# Altium PCB UltraZohm_Analog_ADS5272.PcbDoc (part 4 of 4)
Units mm, origin at the board's own origin, x right, y up, seen from the top; angles counter-clockwise.
Board outline 156.02 x 100.09 mm, 6 copper layers (Top Layer, AGND, VCC, GND, Signal 1, Bottom Layer), stack 1.58 mm thick; 321 components, 279 nets, 1409 pads, 548 vias.
Unrouted connection lines stored in the file: 181.
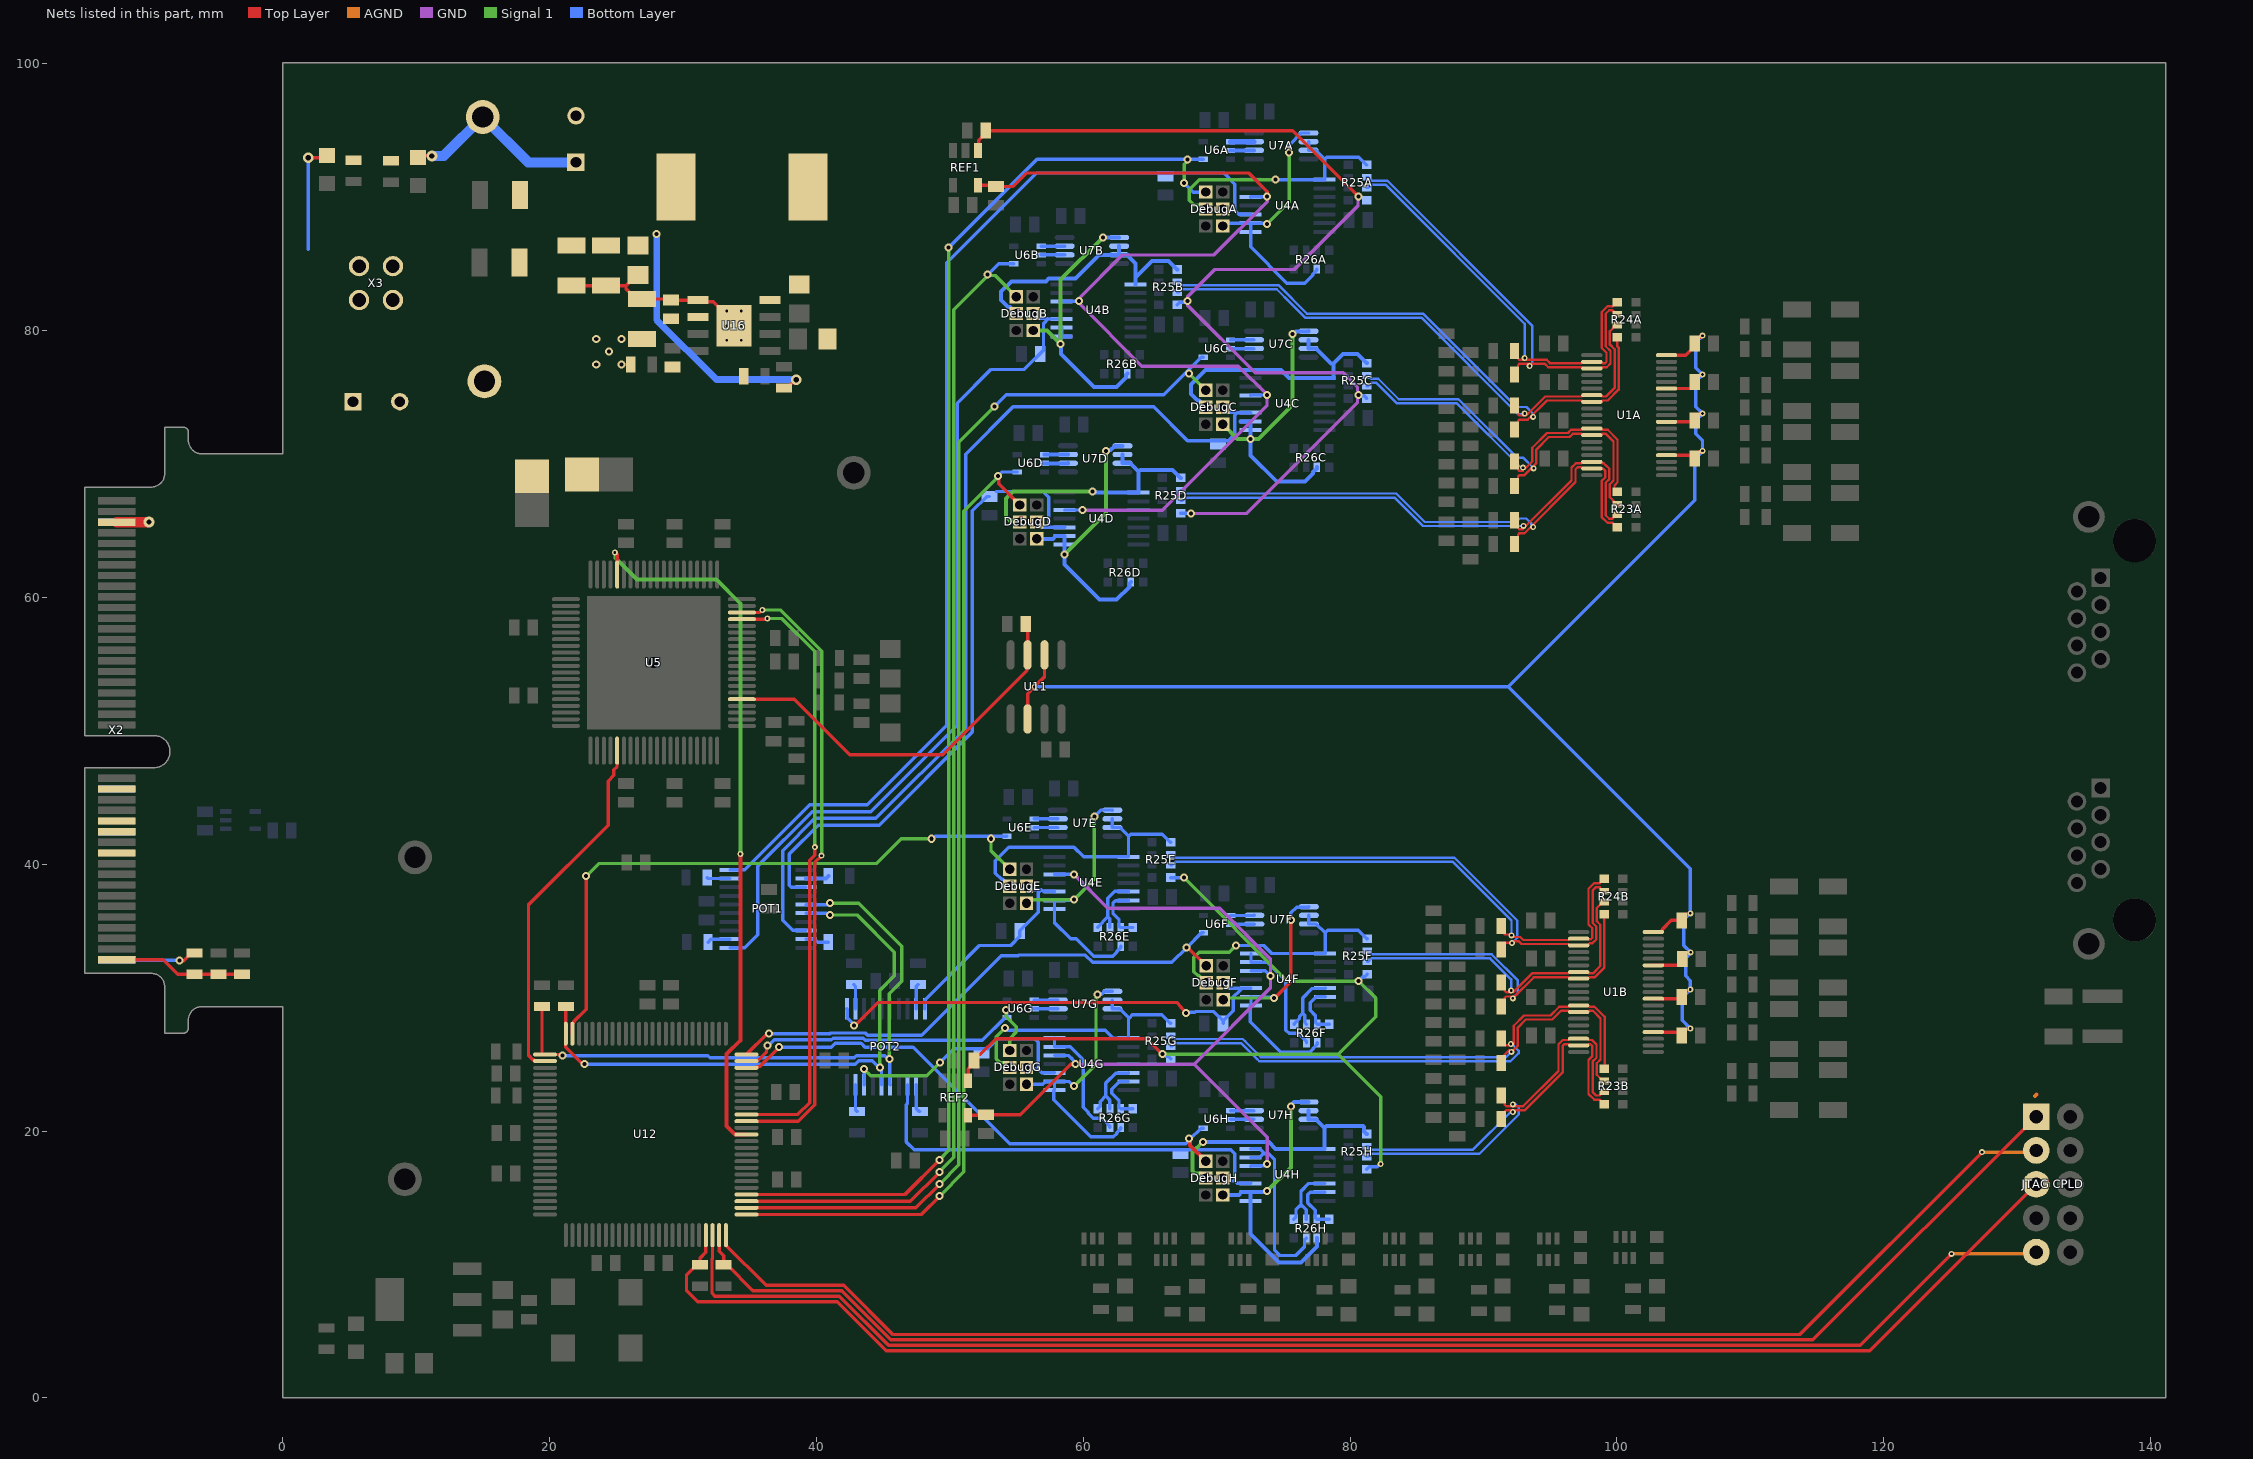
[diagram p8: the nets of this part, all layers, seen from the top]

## Via types
v1: diameter 0.6, hole 0.3, Top Layer to Bottom Layer, tented both sides, 338 vias
v2: diameter 0.45, hole 0.2, Top Layer to Bottom Layer, tented both sides, 182 vias
v3: diameter 0.45, hole 0.2, Top Layer to Bottom Layer, tented bottom, 16 vias
v4: diameter 0.5, hole 0.2, Top Layer to Bottom Layer, tented both sides, 6 vias
v5: diameter 0.8, hole 0.4, Top Layer to Bottom Layer, tented both sides, 4 vias
v6: diameter 0.45, hole 0.2, Top Layer to Bottom Layer, 2 vias

## Nets (pads, with @x,y where several pads share a name; then routed paths per layer and width w, separated by ;. In a path a pad name is that pad's centre, name@x,y a point inside that pad or via, vN(x,y) a via of type N, cw(c..) or ccw(c..) an arc to the next point about the centre after c; other vN are vias at no path point) (continued)
NetR26E_5: R26E.5 R26E.6 U4E.5 | length 5.2
  Bottom Layer w0.254: R26E.5@61.078,35.254 61.078,35.284 61.849,36.055 61.849,36.068 ; R26E.6@62.003,35.254 62.003,35.914 61.849,36.068 ; U4E.5@63.398,37.948 63.375,37.971 62.359,37.971 62.357,37.973 61.849,37.465 61.849,36.068
NetR26E_7: R26E.7 R26E.8 U4E.6 | length 4.2
  Bottom Layer w0.254: U4E.6@63.398,37.298 63.375,37.275 62.421,37.275 62.23,37.084 62.23,36.337 62.68,35.887 62.68,35.377 R26E.7@62.803,35.254 R26E.8@63.728,35.254
NetR26F_3: R26F.3 U4F.13 U4F.14 | length 9.5
  Bottom Layer w0.254: U4F.14@72.58,33.309 U4F.13@72.58,32.659 73.788,32.659 75.184,31.263 75.184,27.559 75.428,27.315 76.139,27.315 76.415,27.039 76.415,27.035 76.735,26.715 R26F.3@76.735,26.615
NetR26F_5: R26F.5 R26F.6 U4F.5 | length 5.1
  Bottom Layer w0.254: R26F.5@75.81,28.015 75.81,28.045 76.215,28.45 76.215,28.59 76.454,28.829 ; R26F.6@76.735,28.015 76.612,28.138 76.612,28.671 76.454,28.829 ; U4F.5@78.13,30.709 78.107,30.686 77.168,30.686 76.454,29.972 76.454,28.829
NetR26F_7: R26F.7 R26F.8 U4F.6 | length 4.1
  Bottom Layer w0.254: U4F.6@78.13,30.059 77.455,30.059 77.24,29.844 77.231,29.844 77.011,29.625 77.011,29.049 77.412,28.648 77.412,28.138 R26F.7@77.535,28.015 R26F.8@78.46,28.015
NetR26G_3: R26G.3 U4G.13 U4G.14 | length 9.5
  Bottom Layer w0.254: U4G.14@57.848,26.959 U4G.13@57.848,26.309 59.035,26.309 59.99,25.354 59.99,21.787 60.369,21.408 60.369,21.345 60.764,20.95 61.423,20.95 61.683,20.689 61.683,20.685 62.003,20.365 R26G.3@62.003,20.265
NetR26G_5: R26G.5 R26G.6 U4G.5 | length 5.3
  Bottom Layer w0.254: R26G.5@61.078,21.665 61.271,21.858 61.271,22.199 61.7,22.628 ; R26G.6@62.003,21.665 62.003,22.325 61.7,22.628 ; U4G.5@63.398,24.359 63.375,24.336 62.436,24.336 61.7,23.6 61.7,22.628
NetR26G_7: R26G.7 R26G.8 U4G.6 | length 4.2
  Bottom Layer w0.254: U4G.6@63.398,23.709 62.723,23.709 62.508,23.494 62.499,23.494 62.152,23.148 62.152,22.826 62.68,22.298 62.68,21.788 R26G.7@62.803,21.665 R26G.8@63.728,21.665
NetR26H_3: R26H.3 U4H.13 U4H.14 | length 13.4
  Bottom Layer w0.254: U4H.13@72.555,18.019 73.23,18.019 73.499,18.288 ; U4H.14@72.555,18.669 73.23,18.669 73.499,18.4 73.499,18.288 ; R26H.3@76.71,11.975 76.587,11.852 76.587,11.309 75.946,10.668 74.74,10.668 74.341,11.067 74.341,17.861 73.914,18.288 73.499,18.288
NetR26H_5: R26H.5 R26H.6 U4H.5 | length 5.6
  Bottom Layer w0.254: R26H.5@75.785,13.375 75.947,13.537 75.947,14.106 76.327,14.485 ; R26H.6@76.71,13.375 76.707,13.378 76.707,14.106 76.327,14.485 ; U4H.5@78.105,16.069 76.902,16.069 76.327,15.494 76.327,14.485
NetR26H_7: R26H.7 R26H.8 U4H.6 | length 4.4
  Bottom Layer w0.254: U4H.6@78.105,15.419 77.014,15.419 76.835,15.24 76.835,14.605 77.387,14.053 77.387,13.498 R26H.7@77.51,13.375 R26H.8@78.435,13.375
NetU6A_1: U6A.1 U7A.7 | length 1.8
  Bottom Layer w0.4: U6A.1@71.042,94.159 72.242,94.159 72.253,94.17 U7A.7@72.803,94.17
NetU6A_2: U6A.2 U7A.6 | length 1.8
  Bottom Layer w0.3: U6A.2@71.042,93.509 71.048,93.514 72.798,93.514 U7A.6@72.803,93.52
NetU6B_1: U6B.1 U7B.7 | length 1.8
  Bottom Layer w0.254: U6B.1@56.843,86.32 56.849,86.326 58.599,86.326 U7B.7@58.604,86.331
NetU6B_2: U6B.2 U7B.6 | length 1.8
  Bottom Layer w0.254: U6B.2@56.843,85.67 56.849,85.676 58.599,85.676 U7B.6@58.604,85.681
NetU6C_1: U6C.1 U7C.7 | length 1.8
  Bottom Layer w0.254: U6C.1@71.042,79.3 71.048,79.305 72.798,79.305 U7C.7@72.803,79.311
NetU6C_2: U6C.2 U7C.6 | length 1.8
  Bottom Layer w0.254: U6C.2@71.042,78.65 71.048,78.655 72.798,78.655 U7C.6@72.803,78.661
NetU6D_1: U6D.1 U7D.7 | length 1.8
  Bottom Layer w0.3: U6D.1@57.097,70.699 57.103,70.705 58.853,70.705 U7D.7@58.858,70.71
NetU6D_2: U6D.2 U7D.6 | length 1.8
  Bottom Layer w0.3: U6D.2@57.097,70.049 57.103,70.055 58.853,70.055 U7D.6@58.858,70.06
NetU6E_1: U6E.1 U7E.7 | length 1.8
  Bottom Layer w0.254: U6E.1@56.335,43.394 56.341,43.4 58.091,43.4 U7E.7@58.096,43.405
NetU6E_2: U6E.2 U7E.6 | length 1.8
  Bottom Layer w0.254: U6E.2@56.335,42.744 56.341,42.75 58.091,42.75 U7E.6@58.096,42.755
NetU6F_1: U6F.1 U7F.7 | length 1.8
  Bottom Layer w0.254: U6F.1@71.067,36.155 71.073,36.161 72.823,36.161 U7F.7@72.828,36.166
NetU6F_2: U6F.2 U7F.6 | length 1.8
  Bottom Layer w0.254: U6F.2@71.067,35.505 71.073,35.511 72.823,35.511 U7F.6@72.828,35.516
NetU6G_1: U6G.1 U7G.7 | length 1.8
  Bottom Layer w0.254: U6G.1@56.335,29.805 56.341,29.811 58.091,29.811 U7G.7@58.096,29.816
NetU6G_2: U6G.2 U7G.6 | length 1.8
  Bottom Layer w0.254: U6G.2@56.335,29.155 56.341,29.161 58.091,29.161 U7G.6@58.096,29.166
NetU6H_1: U6H.1 U7H.7 | length 1.8
  Bottom Layer w0.254: U6H.1@71.042,21.515 71.048,21.52 72.798,21.52 U7H.7@72.803,21.526
NetU6H_2: U6H.2 U7H.6 | length 1.8
  Bottom Layer w0.254: U6H.2@71.042,20.865 71.048,20.87 72.798,20.87 U7H.6@72.803,20.876
PD: U5.16 U12.38 | length 54.3
  Top Layer w0.3: v2(24.892,63.373) 25.061,63.204 25.061,62.82 25.063,62.818 U5.16@25.063,61.718 ; v2(34.29,40.767) 34.29,26.797 33.274,25.781 33.274,20.374 33.906,19.742 U12.38@34.76,19.742
  Signal 1 w0.3: v2(24.892,63.373) 24.921,63.344 24.921,62.96 26.54,61.341 32.512,61.341 34.29,59.563 v2(34.29,40.767)
PGND: C13.2 C14.2 C60.2 C61.2 C62.2 C66.2 C67.2 C71.2 C92.2 NT1.2 NT2.1 R36.1 R89.2 R90.1 TP4.1 U16.1 U16.9 X3.1 X3.2 | length 16.4
  Top Layer w0.254: C67.2@21.644,83.375 C66.2@24.244,83.375 25.724,83.375 ; C71.2@26.624,84.175 26.524,84.175 25.724,83.375 ; U16.9@33.124,81.325 32.28,82.169 31.235,82.169 U16.1@31.124,82.28 29.13,82.28 C13.2@29.117,82.293 29.035,82.375 C62.2@26.924,82.375 26.474,82.375 25.724,83.125 25.724,83.375 ; v4(33.274,79.275) 33.274,79.825 U16.9@33.824,80.375 33.274,80.925 v4(33.274,81.475)
  other v4: 34.374,79.275 33.274,80.375 34.374,80.375 34.374,81.475
PILOT_IN: R14.1 X2.80 | length 6.1
  Top Layer w0.254: v1(-7.747,32.766) -7.438,32.766 -6.854,33.35 R14.1@-6.604,33.35
  Bottom Layer w0.254: X2.80@-12.453,32.842 -12.415,32.804 -7.785,32.804 v1(-7.747,32.766)
PILOT_OUT: R13.1 R14.2 R15.1 X2.79 | length 9.9
  Top Layer w0.254: X2.79@-12.453,32.842 -8.966,32.842 -7.874,31.75 R13.1@-3.048,31.75
PL_ANL_GPIO_01: X2.55
PS_ANL_GPIO_01: X2.56
PS_ANL_GPIO_02: X2.59
REF1.65A: C75.1 R25A.4 R25B.4 R25C.4 R25D.4 REF1.1 | length 83.3
  Top Layer w0.254: REF1.1@52.131,93.502 52.179,93.55 52.179,94.284 52.418,94.523 52.432,94.523 52.705,94.796 C75.1@52.705,94.996 75.692,94.996 v1@80.518,90.17 ; v1(80.645,90.043) v1@80.692,90.043
  GND w0.254: v1(68.072,66.294) 72.266,66.294 80.558,74.586 80.558,75.779 79.502,76.835 72.898,76.835 67.818,81.915 v1(67.818,82.233) 67.818,82.55 69.85,84.582 75.819,84.582 80.599,89.362 80.599,89.997 v1(80.645,90.043)
  Bottom Layer w0.254: R25B.4@67.059,81.932 67.252,82.125 67.617,82.125 67.724,82.233 v1(67.818,82.233) ; R25D.4@67.313,66.311 68.055,66.311 v1(68.072,66.294) ; v1(80.635,75.182) 80.729,75.182 80.806,75.105 81.065,75.105 R25C.4@81.258,74.912
REF1.65B: C78.1 R25E.4 R25F.4 R25G.4 R25H.4 REF2.1 | length 67
  Top Layer w0.254: REF2.1@51.369,23.779 51.369,24.651 51.518,24.8 51.543,24.8 51.816,25.073 C78.1@51.816,25.273 51.816,25.473 52.089,25.746 52.289,25.746 53.467,26.924 64.77,26.924 v1@65.786,25.908
  Signal 1 w0.254: v1(65.927,25.764) 79.104,25.764 ; v1(67.564,38.989) 75.311,31.242 v1(80.645,31.242) 81.915,29.972 81.915,28.575 79.104,25.764 ; v2(82.296,17.526) 82.296,22.573 79.104,25.764
  Bottom Layer w0.254: v1(65.927,25.764) 66.021,25.764 66.175,25.61 66.358,25.61 R25G.4@66.551,25.417 ; R25E.4@66.551,39.006 66.559,38.998 67.555,38.998 v1(67.564,38.989) ; v1(80.645,31.242) 80.645,31.252 80.967,31.574 81.09,31.574 R25F.4@81.283,31.767 R25F.4@81.313,31.767 ; R25H.4@81.258,17.127 81.451,17.32 82.037,17.32 82.243,17.526 v2(82.296,17.526)
REF3.3A: C74.1 REF1.5 U4A.12 U4B.12 U4C.12 U4D.12 | length 80.9
  Top Layer w0.254: REF1.5@52.131,90.902 53.373,90.902 C74.1@53.467,90.808 54.74,90.808 55.753,91.821 72.39,91.821 73.787,90.424 v1(73.787,90.043)
  GND w0.254: v1(59.944,66.548) 65.913,66.548 73.78,74.415 v1(73.78,75.191) 71.628,77.343 64.389,77.343 59.69,82.042 v1(59.69,82.233) 59.69,82.423 62.937,85.67 69.795,85.67 73.787,89.662 v1(73.787,90.043)
  Bottom Layer w0.254: U4B.12@58.356,82.174 58.379,82.197 59.655,82.197 v1(59.69,82.233) ; U4D.12@58.61,66.553 58.613,66.551 59.941,66.551 v1(59.944,66.548) ; U4C.12@72.555,75.154 72.574,75.173 73.761,75.173 v1(73.78,75.191) ; U4A.12@72.555,90.013 72.57,90.028 73.772,90.028 v1(73.787,90.043)
REF3.3B: C77.1 REF2.5 U4E.12 U4F.12 U4G.12 U4H.12 | length 61.9
  Top Layer w0.254: REF2.5@51.369,21.179 52.672,21.179 C77.1@52.705,21.212 55.276,21.212 59.073,25.009 59.426,25.009 v1(59.436,25.019)
  GND w0.254: v1(59.309,39.243) 61.849,36.703 70.231,36.703 74.041,32.893 v1(74.041,31.623) 74.041,30.734 68.316,25.009 ; v1@59.436,25.009 68.316,25.009 ; v1(73.787,17.526) 73.787,19.539 68.316,25.009
  Bottom Layer w0.254: U4G.12@57.848,25.659 58.923,25.659 59.182,25.4 59.182,25.367 59.436,25.113 v1(59.436,25.019) ; U4E.12@57.848,39.248 57.851,39.246 59.306,39.246 v1(59.309,39.243) ; U4H.12@72.555,17.369 72.578,17.392 v1@73.559,17.392 ; U4F.12@72.58,32.009 73.655,32.009 v1(74.041,31.623)
RESET_ADC: U5.45 U12.77 | length 27
  Top Layer w0.254: U12.77@19.66,25.242 18.897,25.242 18.801,25.338 18.742,25.338 18.415,25.665 18.415,36.957 24.384,42.926 24.384,46.228 24.812,46.656 24.812,47.082 25.054,47.323 25.054,48.509 U5.45@25.063,48.518
SCL_TRIM: POT1.5 POT2.5 R2.2 U12.76 | length 49.3
  Top Layer w0.254: R2.2@19.431,29.337 19.431,25.763 19.461,25.733 20.749,25.733 20.828,25.654 v1(20.955,25.654)
  Signal 1 w0.254: v1(41.021,37.084) 43.18,37.084 46.41,33.854 46.41,31.242 45.466,30.298 v1(45.466,25.4)
  Bottom Layer w0.254: v1(20.955,25.654) 31.85,25.654 32.025,25.479 42.826,25.479 43.001,25.654 45.118,25.654 45.372,25.4 v1(45.466,25.4) 45.504,25.362 45.504,23.488 POT2.5@45.527,23.465 ; POT1.5@39.219,36.981 39.231,36.969 40.906,36.969 v1(41.021,37.084)
SCLK: U5.78 U12.40 | length 47.2
  Top Layer w0.254: U5.78@34.413,58.868 35.702,58.868 35.889,59.055 v2(35.941,59.055) ; U12.40@34.76,20.742 38.647,20.742 39.878,21.972 39.878,40.132 v2(40.386,40.64)
  Signal 1 w0.254: v2(35.941,59.055) 37.312,59.055 40.386,55.981 v2(40.386,40.64)
SDA: U5.77 U12.41 | length 45.6
  Top Layer w0.254: U5.77@34.413,58.368 36.217,58.368 36.269,58.42 v2(36.322,58.42) ; U12.41@34.76,21.242 38.609,21.242 39.497,22.13 39.497,40.29 39.876,40.669 39.876,41.273 v2(39.878,41.275)
  Signal 1 w0.254: v2(36.322,58.42) 37.408,58.42 39.878,55.95 v2(39.878,41.275)
SDA_TRIM: POT1.6 POT2.6 R1.2 U12.75 | length 45.7
  Top Layer w0.254: R1.2@21.209,29.337 U12.75@21.21,27.292 21.218,27.283 21.218,26.28 22.479,25.019 v1(22.606,25.019)
  Signal 1 w0.254: v1(41.021,36.195) 43.053,36.195 45.847,33.401 45.847,31.623 44.759,30.535 v1(44.759,24.778)
  Bottom Layer w0.254: v1(22.606,25.019) 42.905,25.019 43.159,25.273 44.171,25.273 44.666,24.778 v1(44.759,24.778) 44.877,24.66 POT2.6@44.877,23.465 ; POT1.6@39.219,36.331 40.791,36.331 40.927,36.195 v1(41.021,36.195)
SIGNALA: DebugA.3 R25A.1 U4A.1 U7A.2 U7A.3 | length 19.9
  Signal 1 w0.254: DebugA.3@69.19,89.119 68.901,89.408 68.326,89.408 67.945,89.789 67.945,90.551 68.707,91.313 v1(74.422,91.313)
  Bottom Layer w0.254: v1(74.422,91.313) U4A.1@78.105,91.313 78.105,92.858 ; U7A.2@76.893,94.17 U7A.3@76.893,93.52 77.443,93.52 78.105,92.858 ; R25A.1@81.258,92.421 81.228,92.421 80.654,92.995 78.242,92.995 78.105,92.858
SIGNALB: DebugB.3 R25B.1 U4B.1 U7B.2 U7B.3 | length 19.8
  Bottom Layer w0.3: DebugB.3@54.991,81.28 54.498,81.773 54.376,81.773 53.848,82.301 53.848,82.931 54.61,83.693 57.208,83.693 57.416,83.901 59.408,83.901 61.188,85.681 U7B.3@62.694,85.681 ; U7B.2@62.694,86.331 U7B.3@62.694,85.681 ; U4B.1@63.906,83.474 63.906,83.972 ; R25B.1@67.059,84.582 67.029,84.582 66.394,85.217 65.151,85.217 63.906,83.972 ; U7B.3@62.694,85.681 63.269,85.681 63.906,85.044 63.906,83.972
SIGNALC: DebugC.3 R25C.1 U4C.1 U7C.2 U7C.3 | length 20.8
  Bottom Layer w0.3: DebugC.3@69.19,74.26 68.697,74.753 68.575,74.753 68.072,75.256 68.072,75.946 69.18,77.054 74.813,77.054 75.413,76.454 U4C.1@78.105,76.454 78.78,76.454 78.78,77.545 ; U7C.2@76.893,79.311 U7C.3@76.893,78.661 77.468,78.661 78.583,77.545 78.78,77.545 ; R25C.1@81.258,77.562 81.228,77.562 80.558,78.232 79.467,78.232 78.78,77.545
SIGNALD: DebugD.3 R25D.1 U4D.1 U7D.2 U7D.3 | length 19.9
  Signal 1 w0.3: DebugD.3@55.245,65.659 55.118,65.786 54.483,65.786 54.226,66.043 54.226,67.434 54.737,67.945 v1(60.706,67.945)
  Bottom Layer w0.3: v1(60.706,67.945) 60.798,67.853 U4D.1@64.16,67.853 64.16,69.423 ; U7D.2@62.948,70.71 U7D.3@62.948,70.06 63.523,70.06 64.16,69.423 ; R25D.1@67.313,68.961 67.283,68.961 66.683,69.561 64.298,69.561 64.16,69.423
SIGNALE: DebugE.3 R25E.1 U4E.1 U7E.2 U7E.3 | length 20.2
  Bottom Layer w0.254: DebugE.3@54.483,38.354 53.967,38.87 53.878,38.87 53.418,39.33 53.418,40.259 54.434,41.275 59.309,41.275 60.036,40.548 U4E.1@63.398,40.548 63.398,42.093 ; U7E.2@62.186,43.405 U7E.3@62.186,42.755 62.736,42.755 63.398,42.093 ; R25E.1@66.551,41.656 66.521,41.656 65.921,42.256 63.561,42.256 63.398,42.093
SIGNALF: DebugF.3 R25F.1 U4F.1 U7F.2 U7F.3 | length 20
  Signal 1 w0.254: DebugF.3@69.215,31.115 68.699,31.631 68.61,31.631 68.299,31.942 68.299,33.02 68.326,33.02 68.707,33.401 70.939,33.401 v1(71.447,33.909)
  Bottom Layer w0.254: v1(71.447,33.909) 73.533,33.909 74.133,33.309 U4F.1@78.13,33.309 78.13,34.854 ; U7F.2@76.918,36.166 U7F.3@76.918,35.516 77.468,35.516 78.13,34.854 ; R25F.1@81.283,34.417 81.253,34.417 80.618,35.052 78.328,35.052 78.13,34.854
SIGNALG: DebugG.3 R25G.1 U4G.1 U7G.2 U7G.3 | length 20.7
  Signal 1 w0.254: v1(54.145,27.732) 53.467,27.054 53.467,25.4 53.729,25.138 54.11,25.138 DebugG.3@54.483,24.765
  Bottom Layer w0.254: v1(54.145,27.732) 54.145,27.708 54.294,27.559 61.656,27.559 62.256,26.959 U4G.1@63.398,26.959 63.398,28.504 ; U7G.2@62.186,29.816 U7G.3@62.186,29.166 62.736,29.166 63.398,28.504 ; R25G.1@66.551,28.067 66.521,28.067 65.886,28.702 63.676,28.702 63.478,28.504 63.398,28.504
SIGNALH: DebugH.3 R25H.1 U4H.1 U7H.2 U7H.3 | length 20.4
  Signal 1 w0.3: v1(68.961,19.177) 68.199,18.415 68.199,17.018 68.392,16.825 68.84,16.825 DebugH.3@69.19,16.475
  Bottom Layer w0.3: v1(68.961,19.177) 73.914,19.177 74.422,18.669 U4H.1@78.105,18.669 78.105,20.238 ; U7H.2@76.893,21.526 U7H.3@76.893,20.876 77.468,20.876 78.105,20.238 ; R25H.1@81.258,19.777 81.228,19.777 81.058,19.947 81.058,20.288 80.972,20.374 78.24,20.374 78.105,20.238
SPI_SHARED_CLK: X2.48
SPI_SHARED_CS: X2.53
SPI_SHARED_MOSI: X2.47
SW: C8.1 L2.1 U16.8
TCK_CPLD: "JTAG CPLD.1" R11.2 U12.24 | length 110
  Top Layer w0.254: U12.24@32.71,12.192 32.71,10.978 33.052,10.636 R11.2@33.052,9.963 33.302,9.963 35.24,8.024 41.887,8.024 45.57,4.341 114.704,4.341 131.445,21.082
TD_N1: R24A.6 R25A.2 R49A.2 U1A.22 | length 33.1
  Top Layer w0.178: R49A.2@92.329,76.835 92.59,77.096 92.59,77.404 92.694,77.508 94.61,77.508 94.859,77.26 97.344,77.26 97.442,77.162 U1A.22@98.125,77.162 98.808,77.162 98.906,77.26 99.247,77.26 99.53,77.542 99.53,78.474 99.174,78.83 99.174,81.273 99.428,81.527 99.679,81.527 99.784,81.423 99.784,81.378 99.945,81.217 R24A.6@100.045,81.217
  Bottom Layer w0.178: R25A.2@81.258,91.496 81.358,91.496 81.606,91.248 82.792,91.248 93.652,80.388 93.652,77.508 93.487,77.343 v2(93.472,77.343)
TD_N2: R24A.8 R25B.2 R43A.2 U1A.27 | length 44.3
  Top Layer w0.178: R43A.2@92.329,72.587 92.59,72.848 92.59,73.229 92.694,73.333 93.33,73.333 94.756,74.76 97.344,74.76 97.442,74.662 U1A.27@98.125,74.662 98.808,74.662 98.906,74.76 99.318,74.76 100.139,75.581 100.139,78.727 100.045,78.821 R24A.8@100.045,79.492
  Bottom Layer w0.178: R25B.2@67.059,83.657 67.159,83.657 67.407,83.409 74.629,83.409 76.758,81.28 85.483,81.28 92.485,74.279 93.223,74.279 93.726,73.776 v2(93.726,73.533)
TD_N3: R23A.6 R25C.2 R37A.2 U1A.32 | length 30.6
  Top Layer w0.178: R37A.2@92.329,68.473 92.59,68.734 92.59,69.066 92.694,69.171 93.072,69.171 93.971,70.07 93.971,71.093 94.904,72.025 96.464,72.025 96.698,72.26 97.344,72.26 97.442,72.162 U1A.32@98.125,72.162 98.808,72.162 98.906,72.26 99.192,72.26 99.751,71.701 99.751,68.758 99.479,68.486 99.479,67.509 99.784,67.204 99.784,67.154 99.945,66.993 R23A.6@100.045,66.993
  Bottom Layer w0.178: R25C.2@81.258,76.637 81.358,76.637 81.606,76.389 82.116,76.389 83.652,74.854 88.137,74.854 92.506,70.485 92.964,70.485 v2(93.771,69.678)
TD_N4: R23A.8 R25D.2 R31A.2 U1A.37 | length 42.9
  Top Layer w0.178: R31A.2@92.329,64.135 92.59,64.396 92.59,64.704 92.694,64.808 93.072,64.808 96.908,68.644 96.908,69.609 97.058,69.76 97.344,69.76 97.442,69.662 U1A.37@98.125,69.662 98.808,69.662 98.827,69.681 98.827,69.659 98.831,69.655 98.956,69.655 99.141,69.47 99.141,69.01 98.859,68.729 98.859,66.041 99.302,65.599 99.684,65.599 100.015,65.268 R23A.8@100.045,65.268
  Bottom Layer w0.178: R25D.2@67.313,68.036 67.413,68.036 67.661,67.788 83.469,67.788 85.598,65.659 92.46,65.659 92.714,65.913 93.218,65.913 93.599,65.532 93.599,65.479 93.73,65.347 v2(93.73,65.274)
TD_N5: R24B.6 R25E.2 R49B.2 U1B.22 | length 42.5
  Top Layer w0.178: R49B.2@91.341,33.591 91.341,33.841 91.602,34.102 v2@92.065,34.102 ; v2@92.202,34.239 92.636,34.239 92.86,34.015 96.357,34.015 96.454,33.918 U1B.22@97.137,33.918 97.82,33.918 97.987,34.085 98.175,34.085 98.458,34.368 98.458,35.336 98.186,35.607 98.186,38.029 98.44,38.283 98.692,38.283 98.796,38.179 98.796,38.134 98.957,37.973 R24B.6@99.057,37.973
  Bottom Layer w0.178: R25E.2@66.551,40.731 66.651,40.731 66.899,40.483 87.837,40.483 92.542,35.778 92.542,34.486 92.149,34.093 v2(92.138,34.093)
TD_N6: R24B.8 R25F.2 R43B.2 U1B.27 | length 26.8
  Top Layer w0.178: R43B.2@91.341,29.343 91.602,29.604 91.602,29.985 91.707,30.089 v2@92.203,30.089 ; v2@92.342,30.089 93.769,31.515 96.357,31.515 96.454,31.418 U1B.27@97.137,31.418 97.82,31.418 97.918,31.515 98.33,31.515 99.068,32.253 99.068,36.237 R24B.8@99.057,36.248
  Bottom Layer w0.178: R25F.2@81.283,33.492 81.383,33.492 81.631,33.244 90.631,33.244 92.583,31.292 92.583,30.353 92.203,29.973 v2(92.203,29.953)
TD_N7: R23B.6 R25G.2 R37B.2 U1B.32 | length 41.6
  Top Layer w0.178: R37B.2@91.341,25.229 91.341,25.479 91.941,26.078 92.077,25.942 v2(92.093,25.942) ; v2@92.245,26.078 92.583,26.417 92.583,27.763 93.179,28.359 95.161,28.359 95.817,29.015 96.357,29.015 96.454,28.918 U1B.32@97.137,28.918 97.82,28.918 97.918,29.015 98.204,29.015 98.781,28.439 98.781,25.373 98.491,25.083 98.491,24.215 98.957,23.749 R23B.6@99.057,23.749
  Bottom Layer w0.178: R25G.2@66.551,27.142 66.651,27.142 66.899,26.894 71.962,26.894 72.14,26.716 73.322,25.534 91.685,25.534 v2(92.093,25.942)
TD_N8: R23B.8 R25H.2 R31B.2 U1B.37 | length 28
  Top Layer w0.178: R31B.2@91.341,20.891 91.602,21.152 91.602,21.46 91.707,21.564 93.115,21.564 95.936,24.385 95.936,26.381 96.071,26.515 96.357,26.515 96.454,26.418 U1B.37@97.137,26.418 97.82,26.418 97.907,26.505 98.03,26.505 98.171,26.364 98.171,25.625 97.881,25.336 97.881,22.787 98.314,22.355 98.696,22.355 99.027,22.024 R23B.8@99.057,22.024
  Bottom Layer w0.178: R25H.2@81.258,18.852 81.358,18.852 81.606,18.604 89.216,18.604 91.988,21.376 92.15,21.376 v2(92.202,21.428)